# Altium PCB coreBoard_autotrack.PcbDoc (part 3 of 3) (continued)
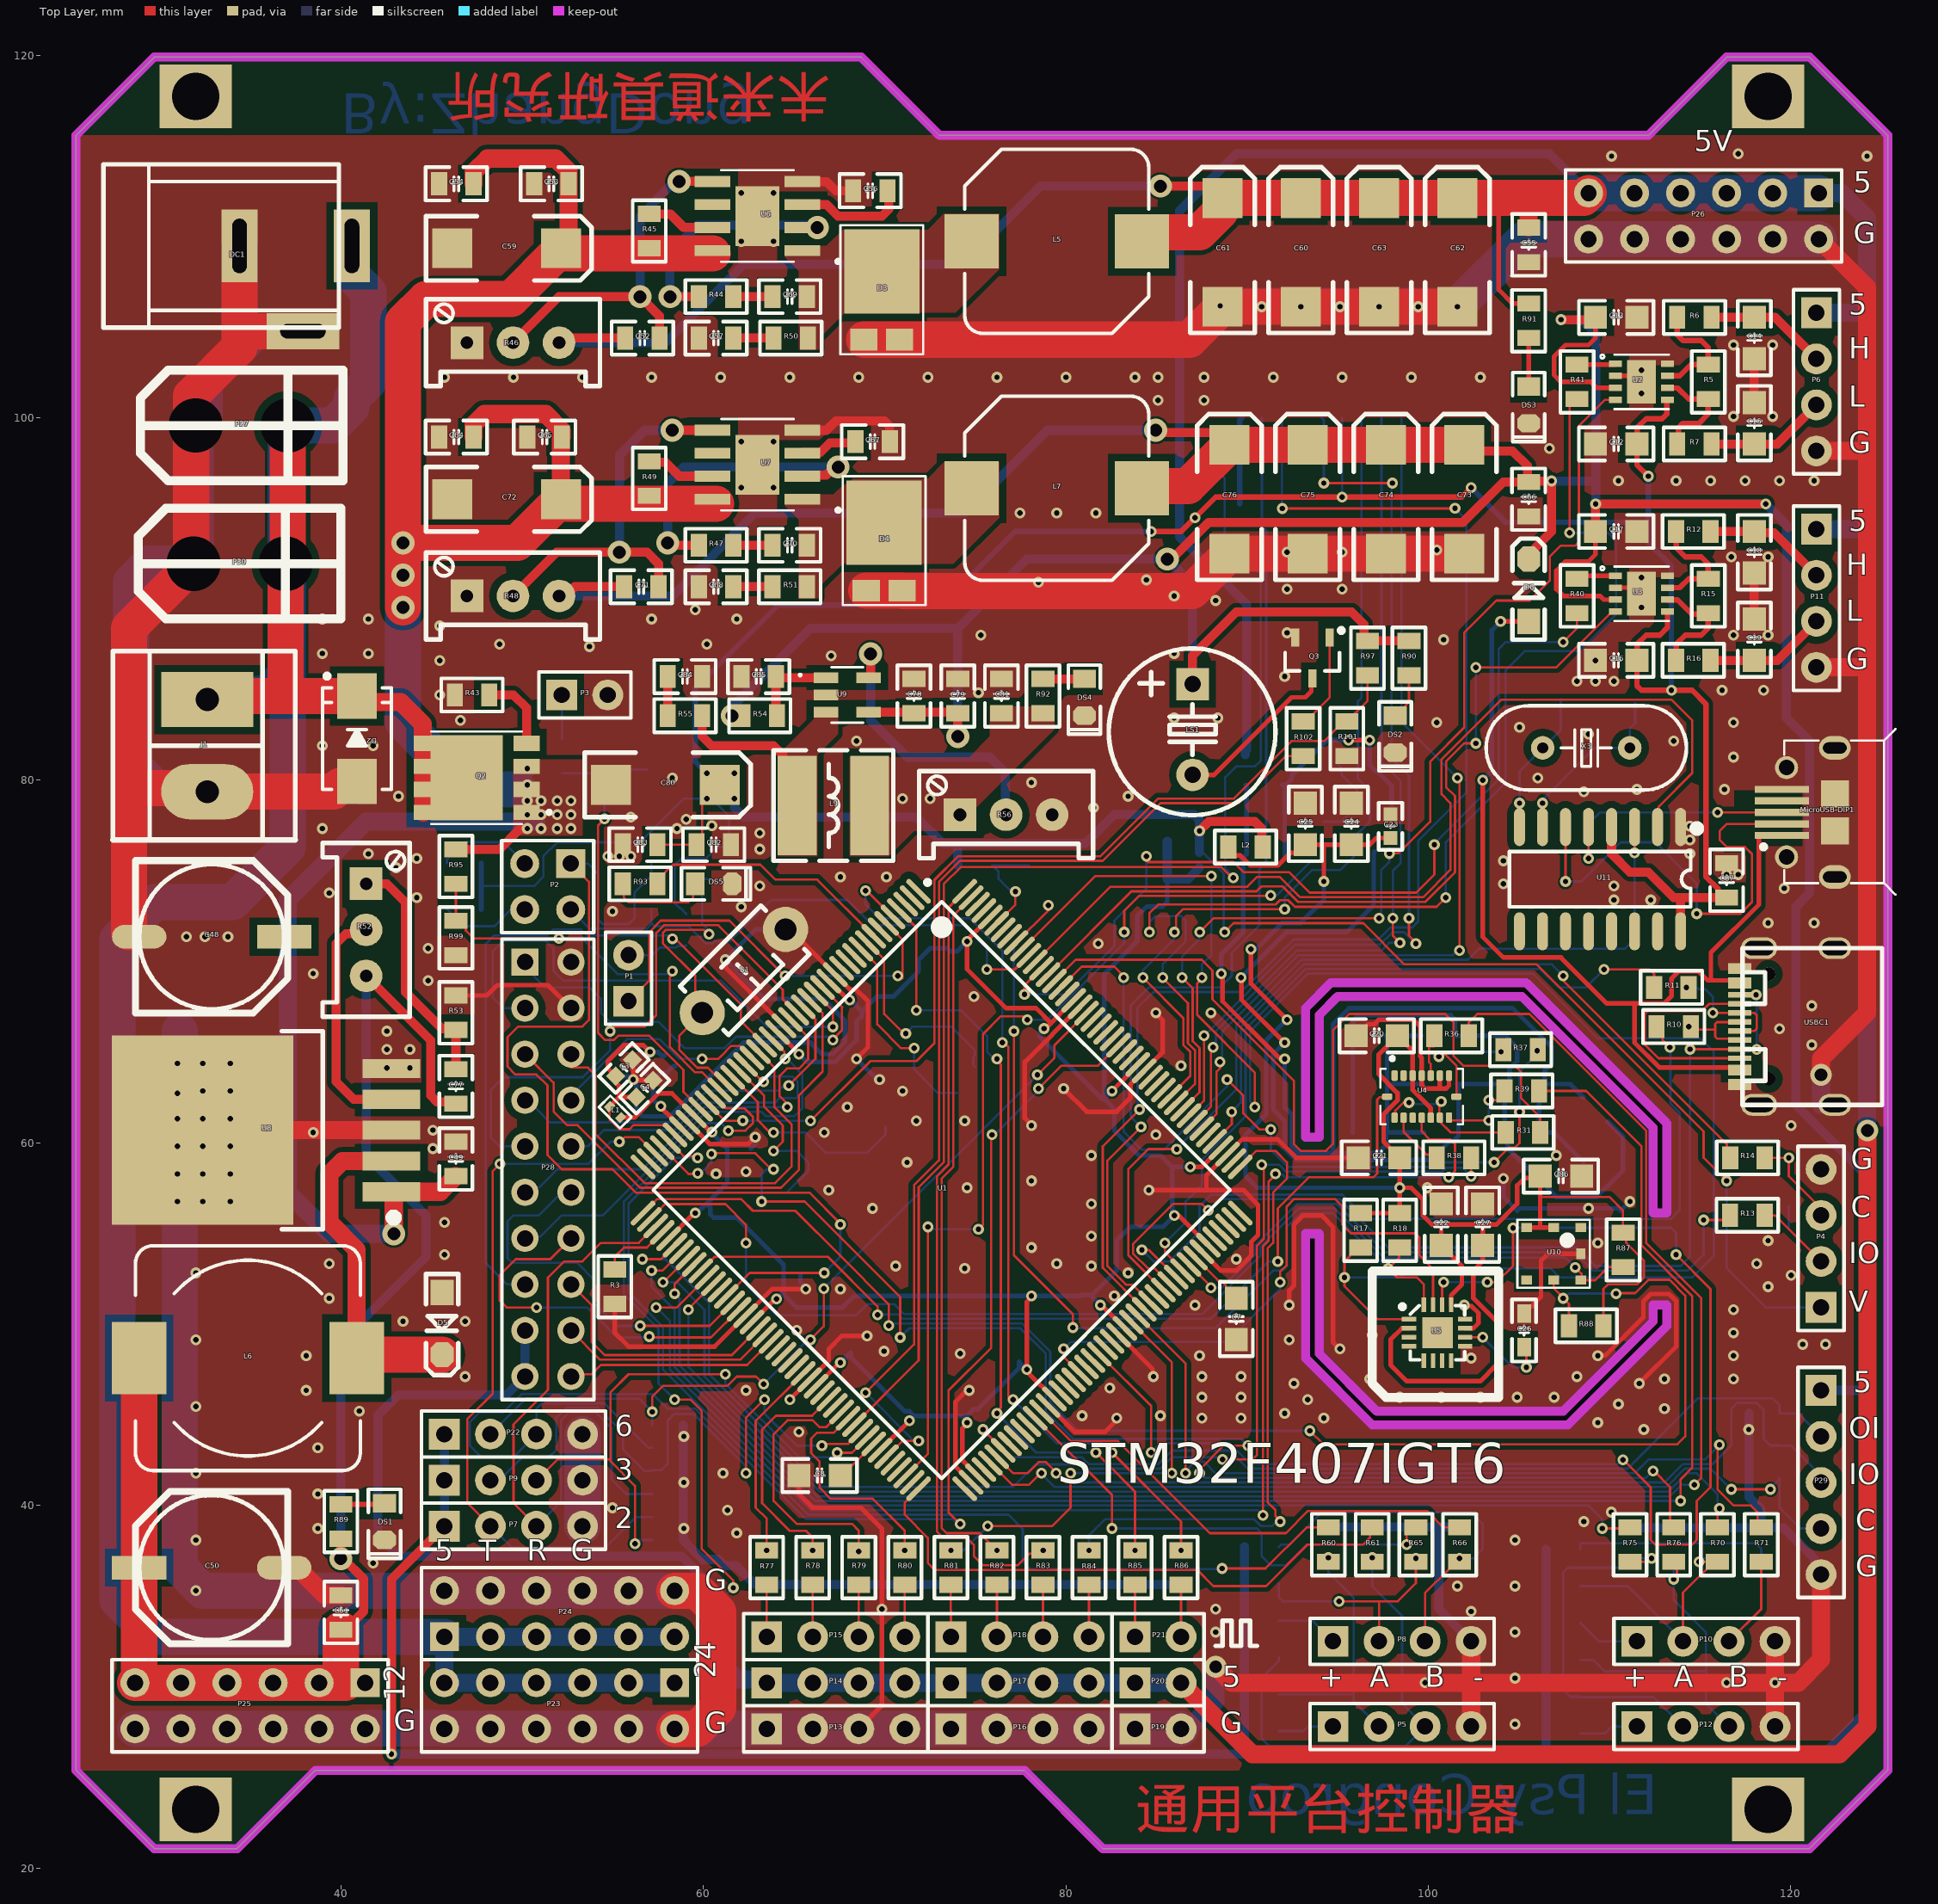
[diagram p0: Top Layer view]
## Nets (pads, with @x,y where several pads share a name; then routed paths per layer and width w, separated by ;. In a path a pad name is that pad's centre, name@x,y a point inside that pad or via, vN(x,y) a via of type N, cw(c..) or ccw(c..) an arc to the next point about the centre after c; other vN are vias at no path point) (continued)
  Bottom Layer w0.127: D31.2@76.2,37.338 76.327,37.465 76.266,37.526 v1(76.2,37.526)
PI7: D30.2 R83.1 U1.176 | length 43.4
  Top Layer w0.127: U1.176@74.425,73.88 73.533,72.988 73.533,58.801 72.898,58.166 72.898,38.555 73.226,38.227 74.549,38.227 74.93,37.846 74.93,37.211 75.438,36.703 77.343,36.703 77.989,37.349 78.563,37.349 R83.1@78.74,37.526 R83.1@78.685,37.581
  other v1: 78.748,37.526
PI8: U1.7
PI9: U1.11
PI10: U1.12
PI11: U1.13
SBU: USBC1.A8 USBC1.B8 | length 11.7
  Top Layer w0.127: USBC1.A8@116.672,64.669 112.691,64.669 111.953,65.407 111.953,67.135 112.09,67.272 115.092,67.272 115.494,67.673 115.499,67.669 USBC1.B8@116.672,67.669
VBUS: D6.1 MicroUSB-DIP1.1@119.507,76.962 USBC1.A4 USBC1.A9 USBC1.B4 USBC1.B9 | length 55.1
  Top Layer w0.127: 115.697,69.035 115.763,68.969 ; USBC1.A4@116.673,63.869 USBC1.B9@116.673,64.169
  Top Layer w0.254: v1(102.997,80.01) 102.997,71.374 104.14,70.231 107.315,70.231 109.855,67.691 111.433,67.691 ; v1(103.988,88.773) D6.1@105.537,88.773 ; USBC1.B9@116.673,64.169 112.742,64.169 111.379,65.532 111.379,67.637 111.433,67.691 ; USBC1.B4@116.672,68.669 116.672,68.969 115.763,68.969 115.587,68.969 ; MicroUSB-DIP1.1@119.507,76.962 118.31,76.962 118.237,76.889 118.237,73.152 115.587,70.502 115.587,68.969 ; 111.433,67.691 113.011,67.691 113.411,68.091 113.411,69.069 113.811,69.469 114.911,69.469 115.41,68.969 115.587,68.969
  Bottom Layer w0.254: v1(102.997,80.01) 103.505,80.518 103.505,88.29 v1(103.988,88.773)
VCC_3V3: C12.2 C16.2 C80.1 C81.1 C82.1 C83.1 C87.2 D1.1 L2.1 L8.2 L9.2 P4.1 R4.1 R9.2 R34.1 R35.2 R42.1 R56.1 R92.2 SD1.4 U2.5 U3.5 U11.4 U11.16 | length 239.6
  Top Layer w0.127: C83.1@57.465,76.454 C82.1@59.629,76.454 59.933,76.758 59.933,78.729 v1(60.198,78.994) 60.198,79.042 C80.1@60.912,79.756 ; C80.1@60.174,79.018 C80.1@60.912,79.756 ; v1(60.198,80.391) 60.277,80.391 C80.1@60.912,79.756 ; v1(88.773,71.628) 89.263,72.118 96.411,72.118 98.679,69.85 105.975,69.85 115.189,60.636 115.189,59.182 v1(116.459,57.912) ; P4.1@120.904,50.165 P4.1@121.666,50.927
  Top Layer w0.254: v1@95.216,95.631 v1(95.25,95.631)
  Top Layer w0.3: v1(84.709,93.726) 86.36,93.726 88.265,95.631 95.216,95.631 101.854,95.631 v1(102.362,96.139) ; v1(112.141,96.774) 111.506,97.409 C12.2@111.506,98.552 111.526,98.572 111.526,99.461 112.014,99.949 112.903,99.949 113.157,100.203 113.157,100.963 113.185,100.99 U2.5@113.193,100.99 ; U3.5@113.193,89.306 113.193,88.428 112.776,88.011 112.014,88.011 111.526,87.523 111.526,86.634 C16.2@111.506,86.614 111.506,85.217 111.76,84.963 v1(113.411,84.963) 114.554,84.963 115.316,84.201 115.316,74.681 115.974,74.023 115.974,73.832 116.268,73.538 C87.2@116.459,73.538
  Top Layer w0.5: v1(87.376,77.216) 87.884,77.724 90.424,77.724 90.805,77.343 90.805,76.388 L2.1@90.866,76.327 ; U11.4@110.109,77.424 110.109,75.946 111.125,74.93 112.141,74.93 113.533,73.538 113.919,73.538 ; U11.16@113.919,71.674 113.919,73.538 ; C87.2@116.268,73.538 113.919,73.538
  Bottom Layer w0.127: 47.752,74.168 50.673,74.168 51.181,74.676 51.181,75.819 51.943,76.581 56.515,76.581 58.928,78.994 60.326,78.994 60.419,78.901 60.545,78.901 61.42,78.026 61.42,76.497 R4.1@61.595,76.322 60.765,76.322 60.134,75.692 58.793,75.692 58.42,75.319 58.42,73.24 58.719,72.941 58.768,72.941 59.055,72.655 D1.1@59.055,72.605 ; L8.2@87.376,76.2 88.709,74.867 88.709,71.691 v1(88.773,71.628) ; SD1.4@95.216,99.99 95.25,99.956 v1(95.25,95.631) ; v1(116.459,57.912) 116.459,53.086 118.618,50.927 P4.1@121.666,50.927
  Bottom Layer w0.3: R35.2@47.752,72.898 47.752,74.168 R34.1@47.752,75.438 ; v1(60.198,80.391) 59.563,81.026 59.563,85.09 64.135,89.662 73.152,89.662 77.216,93.726 v1(84.709,93.726) ; v1(102.362,96.139) 104.267,94.234 112.141,94.234 ; v1(112.141,96.774) 112.141,94.234 ; v1(113.411,84.963) 113.411,91.821 112.141,93.091 112.141,94.234
  Bottom Layer w0.5: v1(61.722,78.994) 61.722,78.486 62.23,77.978 71.755,77.978 73.215,76.517 74.041,76.517 ; R42.1@74.046,75.311 74.041,75.316 74.041,76.517 ; L8.2@87.376,76.034 87.376,76.2 v1(87.376,77.216) 87.376,77.812 87.083,78.105 82.677,78.105 81.09,76.517 74.041,76.517
  other v1: 70.993,78.994 72.517,78.994 61.722,80.391 87.122,94.488
VCC_3V3_IMU: C20.2 C21.2 C22.1 C23.2 C24.2 C25.2 C27.2 C86.1 L2.2 R17.2 R18.2 R87.2 R88.2 U4.3 U4.11 U5.2 U5.13 U10.2 U10.3 | length 111.7
  Top Layer w0.127: 106.172,57.023 109.982,57.023 110.744,56.261 R87.2@110.744,55.052 110.92,54.877 110.92,54.491 111.887,53.524 111.887,52.578 111.506,52.197 109.907,52.197 109.662,51.952 R88.2@109.662,49.911
  Top Layer w0.254: L2.2@88.966,76.327 88.966,76.183 89.284,75.866 89.615,75.866 90.17,75.311 91.694,75.311 92.377,75.994 92.758,75.994 C25.2@93.218,76.454 94.234,76.454 ; v1(90.216,70.693) 90.216,68.788 v1(92.202,66.802) ; v1(94.234,74.422) 94.234,76.454 ; R17.2@96.266,56.129 R18.2@98.425,56.129 v1(98.425,57.531) ; C23.2@97.917,76.82 97.14,76.82 96.774,76.454 C24.2@95.758,76.454 94.234,76.454 ; U5.2@98.933,49.784 98.549,49.784 97.917,49.152 97.917,47.752 98.806,46.863 102.87,46.863 103.759,47.752 103.759,50.165 102.489,51.435 102.489,52.959 102.997,53.467 C27.2@102.997,54.356 102.997,55.499 ; U4.11@100.138,61.393 100.138,61.914 99.138,62.914 U4.3@99.138,63.714 99.138,65.073 C20.2@98.298,65.913 97.263,64.878 97.263,63.791 98.298,62.756 98.298,62.351 97.536,61.589 97.536,60.071 C21.2@98.425,59.182 v1(98.425,57.531) ; U5.13@101.258,51.084 101.258,51.601 101.854,52.197 101.854,53.213 C22.1@100.711,54.356 100.711,55.499 ; U10.3@105.415,55.332 106.165,55.332 ; U10.2@106.914,55.332 106.165,55.332 ; v1(98.425,57.531) 99.06,57.531 99.695,56.896 99.695,56.007 100.203,55.499 100.711,55.499 ; 100.711,55.499 102.997,55.499 ; 102.997,55.499 103.759,55.499 104.902,56.642 104.902,57.658 105.305,58.061 106.067,58.061 C86.1@106.172,58.166 106.172,58.061 106.172,57.023 106.172,55.339 106.165,55.332
  Bottom Layer w0.254: v1(90.216,70.693) 90.505,70.693 91.948,72.136 92.964,72.136 94.234,73.406 v1(94.234,74.422) ; v1(92.202,66.802) 91.059,65.659 91.059,61.595 89.916,60.452 89.916,58.166 90.551,57.531 v1(98.425,57.531)
VCC_3V3_MCU: C31.2 C32.2 C33.2 C34.2 C35.2 C36.2 C37.2 C38.2 C39.2 C40.2 C41.2 C42.2 C43.2 C44.2 C45.2 C46.2 C58.2 L1.2 L8.1 U1.15 U1.23 U1.36 U1.49 U1.62 U1.72 U1.82 U1.91 U1.103 U1.114 U1.127 U1.136 U1.149 U1.159 U1.172 | length 150
  Top Layer w0.254: L1.2@55.436,61.404 55.471,61.439 55.575,61.439 55.61,61.404 56.197,61.404 57.531,62.738 58.272,62.738 U1.36@59.505,61.505 59.517,61.505 60.426,60.597 v1(60.49,60.597) ; U1.49@58.091,54.717 59.508,56.134 v1(59.563,56.134) ; U1.62@62.687,50.121 62.699,50.121 63.967,51.389 v1(64.037,51.389) ; U1.23@64.101,66.101 65.278,64.924 v1(65.278,64.897) ; U1.72@66.222,46.585 67.389,47.752 67.437,47.752 v1(67.564,47.879) ; U1.15@66.929,68.93 66.942,68.93 67.495,68.377 67.513,68.377 68.009,67.881 v1(68.072,67.881) ; U1.82@69.758,43.05 71.374,44.666 v1(71.374,44.689) ; v1(74.549,44.577) 74.549,44.509 74.295,44.255 74.295,42.485 75.132,41.648 U1.91@75.132,41.636 ; U1.172@75.839,72.465 74.549,71.175 v1(74.549,71.12) 74.549,69.596 76.708,67.437 78.359,67.437 79.17,66.626 ; v1(78.105,51.562) 78.105,51.494 77.851,51.24 v1(77.851,47.498) 77.917,47.432 77.917,47.335 U1.103@79.375,45.878 ; v1(78.801,66.312) 78.877,66.312 U1.159@80.435,67.869 ; v1(81.915,51.054) 81.977,51.054 U1.114@83.264,49.767 ; v1(82.55,62.865) 83.432,63.747 83.432,63.794 U1.149@83.971,64.334 ; v1(85.995,56.007) 86.216,56.007 U1.127@87.86,54.363 ; v1(86.868,58.674) 87.503,58.674 U1.136@88.567,59.737
  Bottom Layer w0.254: v1(59.563,56.134) 59.631,56.134 59.885,56.388 59.929,56.388 C42.2@60.183,56.642 ; v1(60.49,60.597) 60.49,60.526 C34.2@61.326,59.69 61.326,57.785 C42.2@60.183,56.642 ; v1(64.037,51.389) C40.2@64.438,51.789 ; v1(65.278,64.897) 65.708,64.467 C35.2@65.961,64.467 67.261,64.467 68.453,65.659 68.453,66.701 68.755,67.003 C33.2@68.755,67.261 ; v1(67.564,47.879) C37.2@68.121,48.435 68.121,48.211 71.135,45.197 71.374,45.197 C36.2@71.628,44.943 ; v1(68.072,67.881) 68.072,67.945 68.104,67.913 C33.2@68.755,67.261 ; v1(71.374,44.689) C36.2@71.628,44.943 ; v1(74.549,44.577) C41.2@74.549,44.943 ; v1(74.549,71.12) C31.2@73.992,70.564 73.633,70.564 73.458,70.739 72.517,70.739 71.882,70.104 71.882,69.469 70.485,68.072 69.566,68.072 C33.2@68.755,67.261 ; v1(77.851,47.498) C44.2@77.422,47.928 77.422,47.577 75.169,45.324 74.93,45.324 C41.2@74.676,45.07 C41.2@74.549,44.943 ; v1(78.801,66.312) 78.564,66.075 C32.2@78.564,65.865 81.993,62.436 C38.2@82.12,62.436 ; v1(81.915,51.054) C58.2@81.358,51.611 ; v1(82.55,62.865) C38.2@82.12,62.436 ; C46.2@85.598,74.549 85.598,73.3 85.333,73.036 84.466,73.036 83.947,72.517 83.947,71.12 82.12,69.293 C38.2@82.12,62.436 ; C43.2@85.867,56.186 C39.2@85.867,58.674 ; v1(85.995,56.007) 85.36,55.372 83.566,55.372 82.804,54.61 82.804,52.959 81.456,51.611 C58.2@81.358,51.611 ; v1(86.868,58.674) C39.2@85.867,58.674 ; C42.2@60.183,56.642 60.396,56.428 60.396,56.063 60.579,55.88 61.849,55.88 64.438,53.291 C40.2@64.438,51.864 C40.2@64.438,51.789 ; C40.2@64.438,51.789 64.438,51.64 65.151,50.927 67.691,50.927 68.326,51.562 v1(78.105,51.562) 80.824,51.562 80.872,51.611 C58.2@81.358,51.611 ; C36.2@71.628,44.943 C41.2@74.549,44.943 ; C38.2@82.12,62.436 82.677,61.879 82.677,60.674 84.042,59.309 85.232,59.309 C39.2@85.867,58.674
  Bottom Layer w0.5: C45.2@85.598,76.635 C46.2@85.598,74.549 86.741,74.549 L8.1@87.376,75.184
VCC_5V_M: C28.2 C52.1 C55.1 C60.1 C61.1 C62.1 C63.1 L3.1 L5.2 P6.1 P11.1 P14.1 P14.2 P14.3 P14.4 P17.1 P17.2 P17.3 P17.4 P20.1 P20.2 P26.1 P26.3 P26.5 P26.7 P26.9 P26.11 P28.17 P28.19 R46.3 R91.2 R96.2 | length 348.8
  Top Layer w0.254: 103.886,112.12 103.886,107.061 104.648,106.299 R91.2@105.537,106.299
  Top Layer w0.5: R46.3@52.044,104.14 52.396,104.14 52.65,104.394 C52.1@55.692,104.394 ; v3(85.217,112.776) 87.99,112.776 C61.1@88.646,112.12
  Top Layer w1: P20.2@86.36,30.226 90.297,26.289 122.682,26.289 124.224,27.831 v4(124.224,60.684) ; 105.283,112.12 105.537,111.866 C55.1@105.537,110.485
  Top Layer w2: L5.2@84.201,109.728 84.701,110.228 87.374,110.228 88.546,111.4 88.546,112.02 C61.1@88.646,112.12 C60.1@92.964,112.12 C63.1@97.282,112.12 C62.1@101.6,112.12 103.886,112.12 105.283,112.12 108.564,112.12 P26.11@108.839,112.395
  Bottom Layer w0.5: P28.17@50.165,49.657 P28.19@50.165,47.117 49.149,46.101 43.18,46.101 42.037,44.958 42.037,38.354 43.18,37.211 58.801,37.211 59.944,36.068 59.944,31.789 60.23,31.503 60.766,31.503 R96.2@60.96,31.308 ; R46.3@52.044,104.14 57.912,104.14 62.23,108.458 74.295,108.458 78.613,112.776 v3(85.217,112.776) ; L3.1@89.916,81.407 L3.1@89.916,81.656 89.982,81.722 C28.2@89.982,83.561 89.982,89.723 86.265,93.44 86.265,111.411 89.408,114.554 106.68,114.554 P26.11@108.839,112.395
  Bottom Layer w1: R96.2@60.96,31.308 61.04,31.308 61.095,31.253 61.095,31.173 61.86,30.408 63.318,30.408 P14.1@63.5,30.226 P14.2@66.04,30.226 P14.3@68.58,30.226 P14.4@71.12,30.226 P17.1@73.66,30.226 P17.2@76.2,30.226 P17.3@78.74,30.226 P17.4@81.28,30.226 P20.1@83.82,30.226 P20.2@86.36,30.226 ; P11.1@121.412,93.853 124.079,93.853 124.206,93.98 ; P6.1@121.412,105.791 124.079,105.791 124.206,105.664 ; P26.1@121.539,112.395 122.809,112.395 124.206,110.998 124.206,105.664 ; v4(124.224,60.684) 124.206,60.702 124.206,93.98 ; 124.206,93.98 124.206,105.664
  Bottom Layer w2: P26.11@108.839,112.395 P26.9@111.379,112.395 P26.7@113.919,112.395 P26.5@116.459,112.395 P26.3@118.999,112.395 P26.1@121.539,112.395
VCC_5V_M_HEAT: C29.2 C30.2 L3.2 R19.2 R20.2 R21.2 R22.2 R23.2 R24.2 R25.2 R26.2 R27.2 R28.2 | length 71.2
  Top Layer w0.254: v1(88.582,69.337) 88.649,69.271 88.649,67.815 91.285,65.179 91.821,64.643 v1(92.075,64.643)
  Bottom Layer w0.127: 97.724,59.944 R24.2@97.724,60.579
  Bottom Layer w0.254: v1(88.582,69.337) 88.582,70.421 89.789,71.628 89.789,75.569 89.697,75.661 89.982,75.946 C29.2@89.982,77.846 89.982,79.69 L3.2@89.916,79.756 ; v1(92.075,64.643) 92.075,61.976 92.456,61.595 92.456,59.848 92.868,59.436 94.742,59.436 ; 97.724,59.944 97.216,59.436 94.742,59.436 ; R20.2@99.634,65.913 R26.2@97.663,65.913 97.724,65.852 R27.2@97.724,63.246 ; R28.2@99.695,63.246 R27.2@97.724,63.246 ; R19.2@99.761,60.579 R24.2@97.724,60.579 R27.2@97.724,63.246 ; R25.2@106.172,63.246 106.423,63.498 106.423,64.005 106.807,64.389 106.807,65.278 104.648,67.437 95.631,67.437 94.742,66.548 94.742,59.436 ; R23.2@108.548,58.965 106.934,60.579 R21.2@106.106,60.579 R25.2@106.106,63.246 107.823,63.246 R22.2@108.548,62.521
VCC_5V_S: C13.1 C17.1 C66.1 C71.1 C73.1 C74.1 C75.1 C76.1 C78.2 C79.2 D6.2 L7.2 LS1.1 P7.1 P9.1 P22.1 P29.1 R48.3 R54.2 R57.2 R58.2 R59.2 R62.2 R63.2 R64.2 R67.2 R68.2 R69.2 R72.2 R73.2 R74.2 R90.2 R97.2 U2.3 U3.3 U9.4 | length 401.8
  Top Layer w0.127: C78.2@71.628,83.698 C79.2@74.041,83.698
  Top Layer w0.254: C13.1@109.093,105.41 109.22,105.283 109.22,104.394 108.839,104.013 107.569,104.013 106.934,103.378 106.934,102.362 107.315,101.981 108.966,101.981 109.296,101.651 U2.3@110.327,101.651 ; C17.1@109.22,93.726 109.22,92.456 108.839,92.075 107.569,92.075 107.061,91.567 107.061,90.551 107.442,90.17 109.474,90.17 109.677,89.967 U3.3@110.327,89.967
  Top Layer w0.5: v1(42.799,26.289) 42.799,35.941 P7.1@45.72,38.862 ; R48.3@52.044,90.17 52.396,90.17 52.904,90.678 C71.1@55.631,90.678 ; U9.4@69.12,83.759 73.98,83.759 C79.2@74.041,83.698 v3(74.041,82.423) ; v3(84.963,99.314) 85.09,99.187 88.346,99.187 C76.1@89.029,98.504 ; v3(85.598,92.202) 85.852,92.202 87.884,94.234 101.92,94.234 104.14,96.454 C66.1@105.537,96.454 ; LS1.1@86.995,85.304 86.995,86.868 89.408,89.281 95.758,89.281 96.446,88.593 96.446,87.885 96.641,87.691 R97.2@96.647,87.691 R90.2@98.933,87.691 ; C73.1@101.983,98.504 102.316,98.171 104.648,98.171 105.463,97.356 105.463,96.528 C66.1@105.537,96.454 ; D6.2@105.537,92.202 105.537,92.437 105.922,92.822 105.922,92.841 106.807,93.726 106.807,96.503 v1(106.8,96.511) 105.612,96.511 105.603,96.52 C66.1@105.537,96.454 ; v1(107.315,105.41) C13.1@109.093,105.41 ; C17.1@109.22,93.726 v1@109.22,95.25 ; v1(109.234,95.25) v1(118.618,95.25) ; P29.1@121.666,46.355 P29.1@121.83,46.519
  Top Layer w2: L7.2@84.201,96.112 84.311,96.222 86.748,96.222 C76.1@89.029,98.504 C75.1@93.347,98.504 C74.1@97.665,98.504 C73.1@101.983,98.504
  Bottom Layer w0.5: v1(42.799,26.289) 89.795,26.289 89.825,26.259 89.855,26.289 ; P7.1@45.72,38.862 P9.1@45.72,41.402 P22.1@45.72,43.942 ; R48.3@52.044,90.17 58.293,90.17 62.865,94.742 74.422,94.742 78.994,99.314 v3(84.963,99.314) ; v3(61.595,83.566) 61.595,84.074 65.913,88.392 74.049,88.392 ; v3(74.041,82.423) 74.041,88.384 74.049,88.392 ; LS1.1@86.995,85.304 86.995,90.805 v3(85.598,92.202) 77.859,92.202 74.049,88.392 ; R62.2@89.855,37.719 R63.2@89.855,35.687 R64.2@89.855,33.655 R57.2@89.855,31.623 R58.2@89.855,29.591 R59.2@89.855,27.559 89.855,26.289 ; R67.2@106.492,37.592 R68.2@106.492,35.56 R69.2@106.492,33.528 R72.2@106.492,31.496 R73.2@106.492,29.464 R74.2@106.492,27.432 106.492,26.289 ; v1(106.8,96.511) 109.224,96.511 109.234,96.52 ; v1(107.315,105.41) 108.458,105.41 109.234,104.634 109.234,96.52 ; v1(109.234,95.25) 109.234,96.52 ; v1(118.618,95.25) 119.761,94.107 119.761,83.439 121.031,82.169 121.031,73.787 120.269,73.025 120.269,62.103 124.206,58.166 124.206,46.355 ; P29.1@121.666,46.355 124.206,46.355 ; 89.855,26.289 106.492,26.289 ; 106.492,26.289 121.793,26.289 124.206,28.702 124.206,46.355
VCC_12V_S: C50.1 C51.1 C77.1 L6.2 P25.1 P25.3 P25.5 P25.7 P25.9 P25.11 R52.3 R89.2 | length 86.6
  Top Layer w0.127: R89.2@40.005,38.166 40.005,37.976 R89.2@40.009,37.976
  Top Layer w0.5: C51.1@40.005,33.152 40.2,33.347 40.459,33.347 41.275,34.163 41.275,35.941 40.148,37.068 v3(40.005,37.068) 40.005,37.972 R89.2@40.009,37.976 ; R52.3@41.402,69.215 44.958,65.659 44.958,62.611 45.308,62.261 46.263,62.261 C77.1@46.355,62.169
  Top Layer w2: L6.2@28.881,48.133 C50.1@28.881,36.576 28.881,30.458 P25.11@28.65,30.226 P25.9@31.19,30.226 P25.7@33.73,30.226 P25.5@36.27,30.226 P25.3@38.81,30.226 40.259,30.226 40.005,30.48 C51.1@40.005,33.152
  Bottom Layer w0.127: P25.3@38.81,30.226 P25.1@41.35,30.226
  Bottom Layer w0.5: v3(40.005,37.068) 40.005,49.022 44.704,53.721 44.704,56.007 41.402,59.309 R52.3@41.402,69.215
VCC_24V_BAT: D2.2 DC1.1 J1.1 P23.1 P23.3 P23.5 P23.7 P23.9 P23.11 P24.1 P24.3 P24.5 P24.7 P24.9 P24.11 P27.1 P30.1 Q2.5 Q2.6 Q2.7 Q2.8 Q2.9 | length 169.3
  Top Layer w1: D2.2@40.894,84.646 41.212,84.328 43.307,84.328 44.535,83.1 44.535,82.055 Q2.5@44.548,82.042 Q2.6@44.548,80.772 Q2.7@44.548,79.502 Q2.8@44.548,78.232
  Top Layer w2: J1.1@32.639,84.455 32.83,84.646 36.83,84.646 ; P27.1@37.084,99.568 37.084,92.075 P30.1@36.957,91.948 36.957,84.773 36.83,84.646 ; D2.2@40.894,84.646 36.83,84.646
  Bottom Layer w1: P23.1@58.42,30.226 P23.3@55.88,30.226 P23.5@53.34,30.226 P23.7@50.8,30.226 P23.9@48.26,30.226 P23.11@45.72,30.226 P24.1@45.72,32.766 P24.3@48.26,32.766 P24.5@50.8,32.766 P24.7@53.34,32.766 P24.9@55.88,32.766 P24.11@58.42,32.766
  Bottom Layer w2: J1.1@32.639,84.455 32.951,84.767 35.912,84.767 37.084,85.938 ; DC1.1@40.617,109.474 40.617,107.846 41.529,106.934 41.529,101.981 40.584,101.036 40.584,100.568 39.584,99.568 P27.1@37.084,99.568 36.957,99.441 P30.1@36.957,91.948 37.084,91.821 37.084,85.938 ; P24.1@45.72,32.766 29.718,32.766 27.686,34.798 27.686,71.247 29.718,73.279 34.036,73.279 37.084,76.327 37.084,85.938
VCC_24V_S: C48.1 C49.1 C53.1 C54.1 C59.1 C64.1 C65.1 C72.1 Q2.1 Q2.2 Q2.3 R45.1 R49.1 R95.2 U6.8 U7.8 U8.1 | length 177.5
  Top Layer w0.5: R95.2@46.355,76.195 48.763,76.195 49.861,77.293 50.215,77.293 50.265,77.343 v1(50.292,77.343)
  Top Layer w1: U8.1@42.795,57.306 U8.1@42.901,57.306 ; v3(42.926,54.991) 42.926,57.281 U8.1@42.901,57.306 ; 44.45,106.553 44.704,106.553 44.958,106.553 ; C49.1@46.355,58.166 46.275,58.166 46.22,58.11 46.22,58.031 45.495,57.306 U8.1@42.901,57.306 ; C64.1@47.329,98.933 47.329,99.617 47.914,100.203 51.308,100.203 52.197,99.314 C65.1@52.197,98.933 52.149,98.885 C72.1@52.149,95.504 C72.1@52.088,95.443 ; C54.1@47.329,112.903 47.329,113.544 48.081,114.296 51.864,114.296 52.573,113.587 C53.1@52.573,112.903 52.573,109.771 C59.1@52.149,109.347
  Top Layer w2: v3(43.434,89.535) v3(43.434,91.313) v3(43.434,93.091) ; 44.704,106.553 43.434,105.283 v3(43.434,93.091) ; C72.1@52.088,95.443 49.736,93.091 ; C59.1@52.149,109.347 52.049,109.247 52.049,109.199 49.403,106.553 46.33,106.553 ; C72.1@52.451,95.25 53.569,95.25 ; v3(43.434,93.091) 44.628,93.091 ; 44.628,93.091 49.736,93.091 ; 44.628,93.091 49.736,93.091 ; 46.33,106.553 44.958,106.553 46.33,106.553 ; C59.1@52.149,109.063 52.049,109.063 C59.1@52.149,109.063 ; C59.1@52.149,109.063 R45.1@57.023,109.063 ; C59.1@52.149,109.063 R45.1@57.023,109.063 ; 53.569,95.25 57.023,95.25 ; 53.569,95.25 57.023,95.25 ; 57.023,95.25 U7.8@60.517,95.25 ; 57.023,95.25 U7.8@60.517,95.25 ; R45.1@57.023,109.063 60.517,109.063 R45.1@57.023,109.063 ; U7.8@60.517,95.25 60.706,95.25 U7.8@60.517,95.25
  Bottom Layer w1: v3(42.926,54.991) 39.37,54.991 37.084,57.277 v1(37.084,70.993) v1(37.084,71.755) 37.084,73.406 41.402,77.724 ; v1@50.165,80.518 v1(50.292,80.645) ; 41.402,77.724 50.292,77.724 ; 41.402,77.724 50.292,77.724 ; 50.292,77.724 50.8,77.724 50.292,77.724
  Bottom Layer w2: v3(43.434,93.091) v3(43.434,91.313) v3(43.434,89.535) 43.434,83.185 ; 49.784,79.502 47.117,79.502 ; 43.434,83.185 47.117,79.502 ; 43.434,83.185 47.117,79.502
  other v1: 51.054,77.343 51.943,77.343 52.705,77.343 50.292,78.105 51.054,78.105 51.943,78.105 52.705,78.105 50.292,78.867 51.054,78.867 51.943,78.867 52.705,78.867 50.292,79.756
VDDA: C3.2 C4.2 L1.1 R1.2 U1.39 | length 12.5
  Top Layer w0.127: L1.1@54.844,62.013 54.844,61.275 55.362,60.757 55.931,60.757 56.159,60.985 57.903,60.985 U1.39@58.444,60.445
  Top Layer w0.254: L1.1@54.835,62.005 55.363,62.533 ; C4.2@56.309,62.533 55.363,62.533 ; v1(57.065,65.024) 56.701,65.388 55.609,65.388 54.728,64.507 54.728,64.114 C3.2@55.166,63.676 55.166,63.316 55.363,63.12 55.363,62.533
  Bottom Layer w0.254: v1(57.065,65.024) 57.077,65.012 57.508,65.012 57.715,64.805 57.818,64.805 R1.2@57.848,64.834
VREF+: C1.2 C2.2 R1.1 U1.38 | length 6.5
  Top Layer w0.254: v1(57.658,62.022) 57.658,61.976 58.259,61.375 58.259,61.337 U1.38@58.798,60.798
  Bottom Layer w0.254: C2.2@56.085,64.595 C1.2@57.228,63.452 ; v1(57.658,62.022) 57.612,62.022 57.228,62.406 C1.2@57.228,63.452 ; R1.1@58.449,64.233 58.346,64.233 57.994,63.881 57.666,63.881 57.237,63.452 C1.2@57.228,63.452
pads on no net: MicroUSB-DIP1.0@119.761,75.776 MicroUSB-DIP1.1@119.761,80.703 MicroUSB-DIP1.2@122.428,74.676 MicroUSB-DIP1.3@122.428,81.788 MicroUSB-DIP1.4 U4.1 U4.2 U4.13 U5.3 U5.4 U5.5 U5.6 U5.7 U5.8 U5.12 U5.17 U6.6 U7.6 U10.1 U10.4 U11.9 U11.10 U11.11 U11.12 U11.13 U11.14 U11.15 USBC1.

## Polygon pours and split planes (outlines as drawn)
GND on Top Layer "GND_L01_P010" (solid, remove dead copper, pour order 10): 25.4,115.57 25.4,25.4 125.349,25.4 125.349,115.57
GND on Top Layer "GND_L01_P007" (solid, pour order 7): 27.305,73.914 29.337,73.914 37.338,65.913 37.338,55.499 27.305,55.499
VCC_24V_S on Top Layer "VCC_24V_S_L01_P004" (solid, pour order 4): 49.53,81.153 53.34,81.153 53.34,76.962 49.53,76.962
VCC_3V3 on Top Layer "VCC_3V3_L01_P003" (solid, pour order 3): 74.676,81.28 75.819,82.423 75.819,84.074 79.375,84.074 79.375,82.804 76.073,79.502 75.057,78.486 75.057,77.216 71.628,77.216 70.231,75.819 68.072,75.819 68.072,81.28
NetL9_1 on Top Layer "NETL9_1_L01_P002" (solid, pour order 2): 66.1,83.947 66.1,83.372 64.135,81.407 64.135,75.819 66.294,75.819 66.294,81.407 67.437,82.55 67.437,83.947
NetC70_1 on Top Layer "NETC70_1_L01_P001" (solid, pour order 1): 64.516,95.758 67.183,95.758 68.072,96.647 72.39,96.647 73.279,97.536 76.327,97.536 76.327,94.488 73.787,91.948 67.691,91.948 66.421,90.678 66.421,90.043 65.278,90.043 65.278,94.361 64.516,95.123
NetC69_1 on Top Layer "NETC69_1_L01_P000" (solid, pour order 0): 64.516,109.474 66.802,109.474 67.691,110.363 72.39,110.363 73.279,111.252 76.327,111.252 76.327,108.204 73.914,105.791 67.818,105.791 66.421,104.394 66.421,103.759 65.278,103.759 65.278,108.077 64.516,108.839
GND on Bottom Layer "GND_L02_P009" (solid, remove dead copper, pour order 9): 25.4,115.57 125.349,115.57 125.349,25.4 25.4,25.4
no net on Bottom Layer "NONET_L02_P008" (solid, pour order 8): 25.4,115.57
VCC_3V3 on Bottom Layer "VCC_3V3_L02_P006" (solid, pour order 6): 59.817,80.772 72.898,80.772 72.898,78.613 59.817,78.613
VCC_24V_S on Bottom Layer "VCC_24V_S_L02_P005" (solid, pour order 5): 49.53,81.153 50.927,81.153 50.927,79.502 53.213,79.502 53.213,76.962 49.53,76.962

## Keep-outs
Keep-Out Layer:
  lines w0.5: 25.4,25.4 29.718,21.082 34.29,21.082 38.608,25.4 77.724,25.4 82.042,21.082 121.031,21.082 125.349,25.4 125.349,115.57 121.031,119.888 116.459,119.888 112.141,115.57 73.025,115.57 68.707,119.888 29.718,119.888 25.4,115.57 25.4,25.4 ; 93.218,48.133 93.218,54.991 93.98,54.991 93.98,48.387 97.155,45.212 107.442,45.212 112.395,50.165 112.395,51.054 113.157,51.054 113.157,49.911 107.696,44.45 96.901,44.45 93.218,48.133 ; 93.218,60.325 93.218,67.437 94.615,68.834 105.41,68.834 113.157,61.087 113.157,56.134 112.395,56.134 112.395,60.833 105.156,68.072 94.996,68.072 93.98,67.056 93.98,60.325 93.218,60.325

## Other copper
Top Layer:
  text "未来道具研究所" at 67.056,119.507 h3.81 r180
  text "通用平台控制器" at 83.82,21.463 h3.81
Bottom Layer:
  text "By:ZhangDong" at 40.005,118.618 h3.81 r180
  text "El Psy Congroo" at 112.649,22.225 h3.81

## Silkscreen, mask and mechanical layers (free items; w line width, h text height)
Top Overlay:
  lines w0.254: 88.265,32.258 88.646,32.258 88.646,33.655 89.154,33.655 89.154,32.258 89.662,32.258 89.662,33.655 90.17,33.655 90.17,32.258 90.551,32.258
  lines w0.5: 96.901,46.736 96.901,52.905 96.928,52.932 102.008,52.932 103.859,52.932 103.886,52.905 103.886,45.974 97.663,45.974 96.901,46.736
  text "5V" at 114.681,114.3 h2
  text "5" at 123.444,112.014 h2
  text "G" at 123.444,109.22 h2
  text "5" at 123.19,105.283 h2
  text "H" at 123.19,102.87 h2
  text "L" at 123.19,100.203 h2
  text "G" at 123.19,97.663 h2
  text "5" at 123.19,93.345 h2
  text "H" at 123.063,90.932 h2
  text "L" at 123.063,88.392 h2
  text "G" at 123.063,85.725 h2
  text "G" at 123.317,58.166 h2
  text "C" at 123.317,55.499 h2
  text "IO" at 123.19,52.959 h2
  text "V" at 123.19,50.292 h2
  text "5" at 123.444,45.847 h2
  text "6" at 55.118,43.434 h2
  text "OI" at 123.19,43.307 h2
  text "3" at 55.118,41.021 h2
  text "IO" at 123.19,40.767 h2
  text "STM32F407IGT6" at 79.502,40.513 h3.81
  text "2" at 55.118,38.354 h2
  text "C" at 123.571,38.227 h2
  text "5" at 45.212,36.576 h2
  text "R" at 50.292,36.576 h2
  text "G" at 52.705,36.576 h2
  text "T" at 47.622,36.543 h2
  text "G" at 123.571,35.687 h2
  text "G" at 60.071,34.925 h2
  text "24" at 61.087,30.48 h2 r90
  text "5" at 88.646,29.591 h2
  text "+" at 93.98,29.591 h2
  text "A" at 96.774,29.591 h2
  text "B" at 99.822,29.591 h2
  text "-" at 102.489,29.591 h2
  text "+" at 110.744,29.591 h2
  text "A" at 113.538,29.591 h2
  text "B" at 116.586,29.591 h2
  text "-" at 119.253,29.591 h2
  text "12" at 43.942,29.21 h2 r90
  text "G" at 42.926,27.178 h2
  text "G" at 60.071,27.051 h2
  text "G" at 88.519,27.051 h2
Bottom Overlay:
  text "5" at 124.46,112.014 h2
  text "G" at 124.587,109.22 h2
  text "5" at 124.333,105.283 h2
  text "H" at 124.333,102.87 h2
  text "CAN 1" at 118.237,100.965 h3.81
  text "L" at 124.206,100.203 h2
  text "G" at 124.206,97.663 h2
  text "5" at 124.079,93.345 h2
  text "MicroSD" at 103.251,91.059 h3.81
  text "H" at 124.079,90.932 h2
  text "CAN 2" at 118.237,89.535 h3.81
  text "L" at 124.079,88.392 h2
  text "G" at 124.206,85.725 h2
  text "+  -" at 28.956,85.217 h3.81 r90
  text "BOOT" at 56.515,77.089 h3.81
  text "TTL" at 123.825,77.089 h3.81
  text "USER-IO" at 48.006,66.167 h3.81 r90
  text "OTG" at 123.952,65.659 h3.81
  text "G" at 124.46,58.166 h2
  text "C" at 124.333,55.499 h2
  text "IMU" at 105.791,54.483 h4
  text "IO" at 124.714,52.959 h2
  text "SWD" at 120.142,52.197 h3.81
  text "V" at 124.333,50.292 h2
  text "SPI" at 119.888,46.228 h3.81
  text "5" at 124.46,45.847 h2
  text "6" at 44.577,43.434 h2
  text "OI" at 124.968,43.307 h2
  text "Encoder" at 114.173,41.148 h3.81
  text "3" at 44.577,40.894 h2
  text "IO" at 124.968,40.767 h2
  text "USART" at 42.799,40.513 h3.81
  text "PWM x 10" at 84.074,40.259 h3.81
  text "2" at 44.577,38.354 h2
  text "C" at 124.587,38.227 h2
  text "+5" at 46.99,36.576 h2
  text "T" at 48.768,36.576 h2
  text "R" at 51.308,36.576 h2
  text "G" at 53.848,36.576 h2
  text "G" at 124.714,35.687 h2
  text "G" at 44.069,34.925 h2
  text "1" at 63.754,33.782 h2
  text "2" at 66.421,33.782 h2
  text "3" at 69.088,33.782 h2
  text "4" at 71.628,33.782 h2
  text "5" at 74.168,33.782 h2
  text "6" at 76.708,33.782 h2
  text "7" at 79.248,33.782 h2
  text "8" at 81.788,33.782 h2
  text "9" at 84.328,33.782 h2
  text "10" at 87.376,33.782 h2
  text "24" at 44.069,32.639 h2 r90
  text "12V" at 38.227,32.004 h3.81
  text "12" at 26.924,31.369 h2 r90
  text "-  B  A  +" at 102.997,29.591 h2
  text "-  B  A  +" at 119.761,29.591 h2
  text "5" at 61.976,29.337 h2
  text "G" at 27.051,27.178 h2
  text "G" at 44.069,27.178 h2
  text "G" at 61.976,27.051 h2
Top Solder:
  text "未来道具研究所" at 67.056,119.507 h3.81 r180
  text "通用平台控制器" at 83.82,21.463 h3.81
Bottom Solder:
  text "By:ZhangDong" at 40.005,118.618 h3.81 r180
  text "El Psy Congroo" at 112.649,22.225 h3.81

## Dimensions
77.724,25.4 to 38.608,25.4 on Top Overlay
121.031,21.082 to 82.042,21.082 on Top Overlay
73.025,115.57 to 112.141,115.57 on Top Overlay
68.707,119.888 to 29.718,119.888 on Top Overlay
25.4,115.57 to 73.025,115.57 on Top Overlay
125.349,115.57 to 25.4,115.57 on Top Overlay
121.031,21.082 to 121.031,119.888 on Top Overlay